# Altium PCB BytePipe_x9002_HDK_Rev2.PcbDoc (part 1 of 5) (continued)
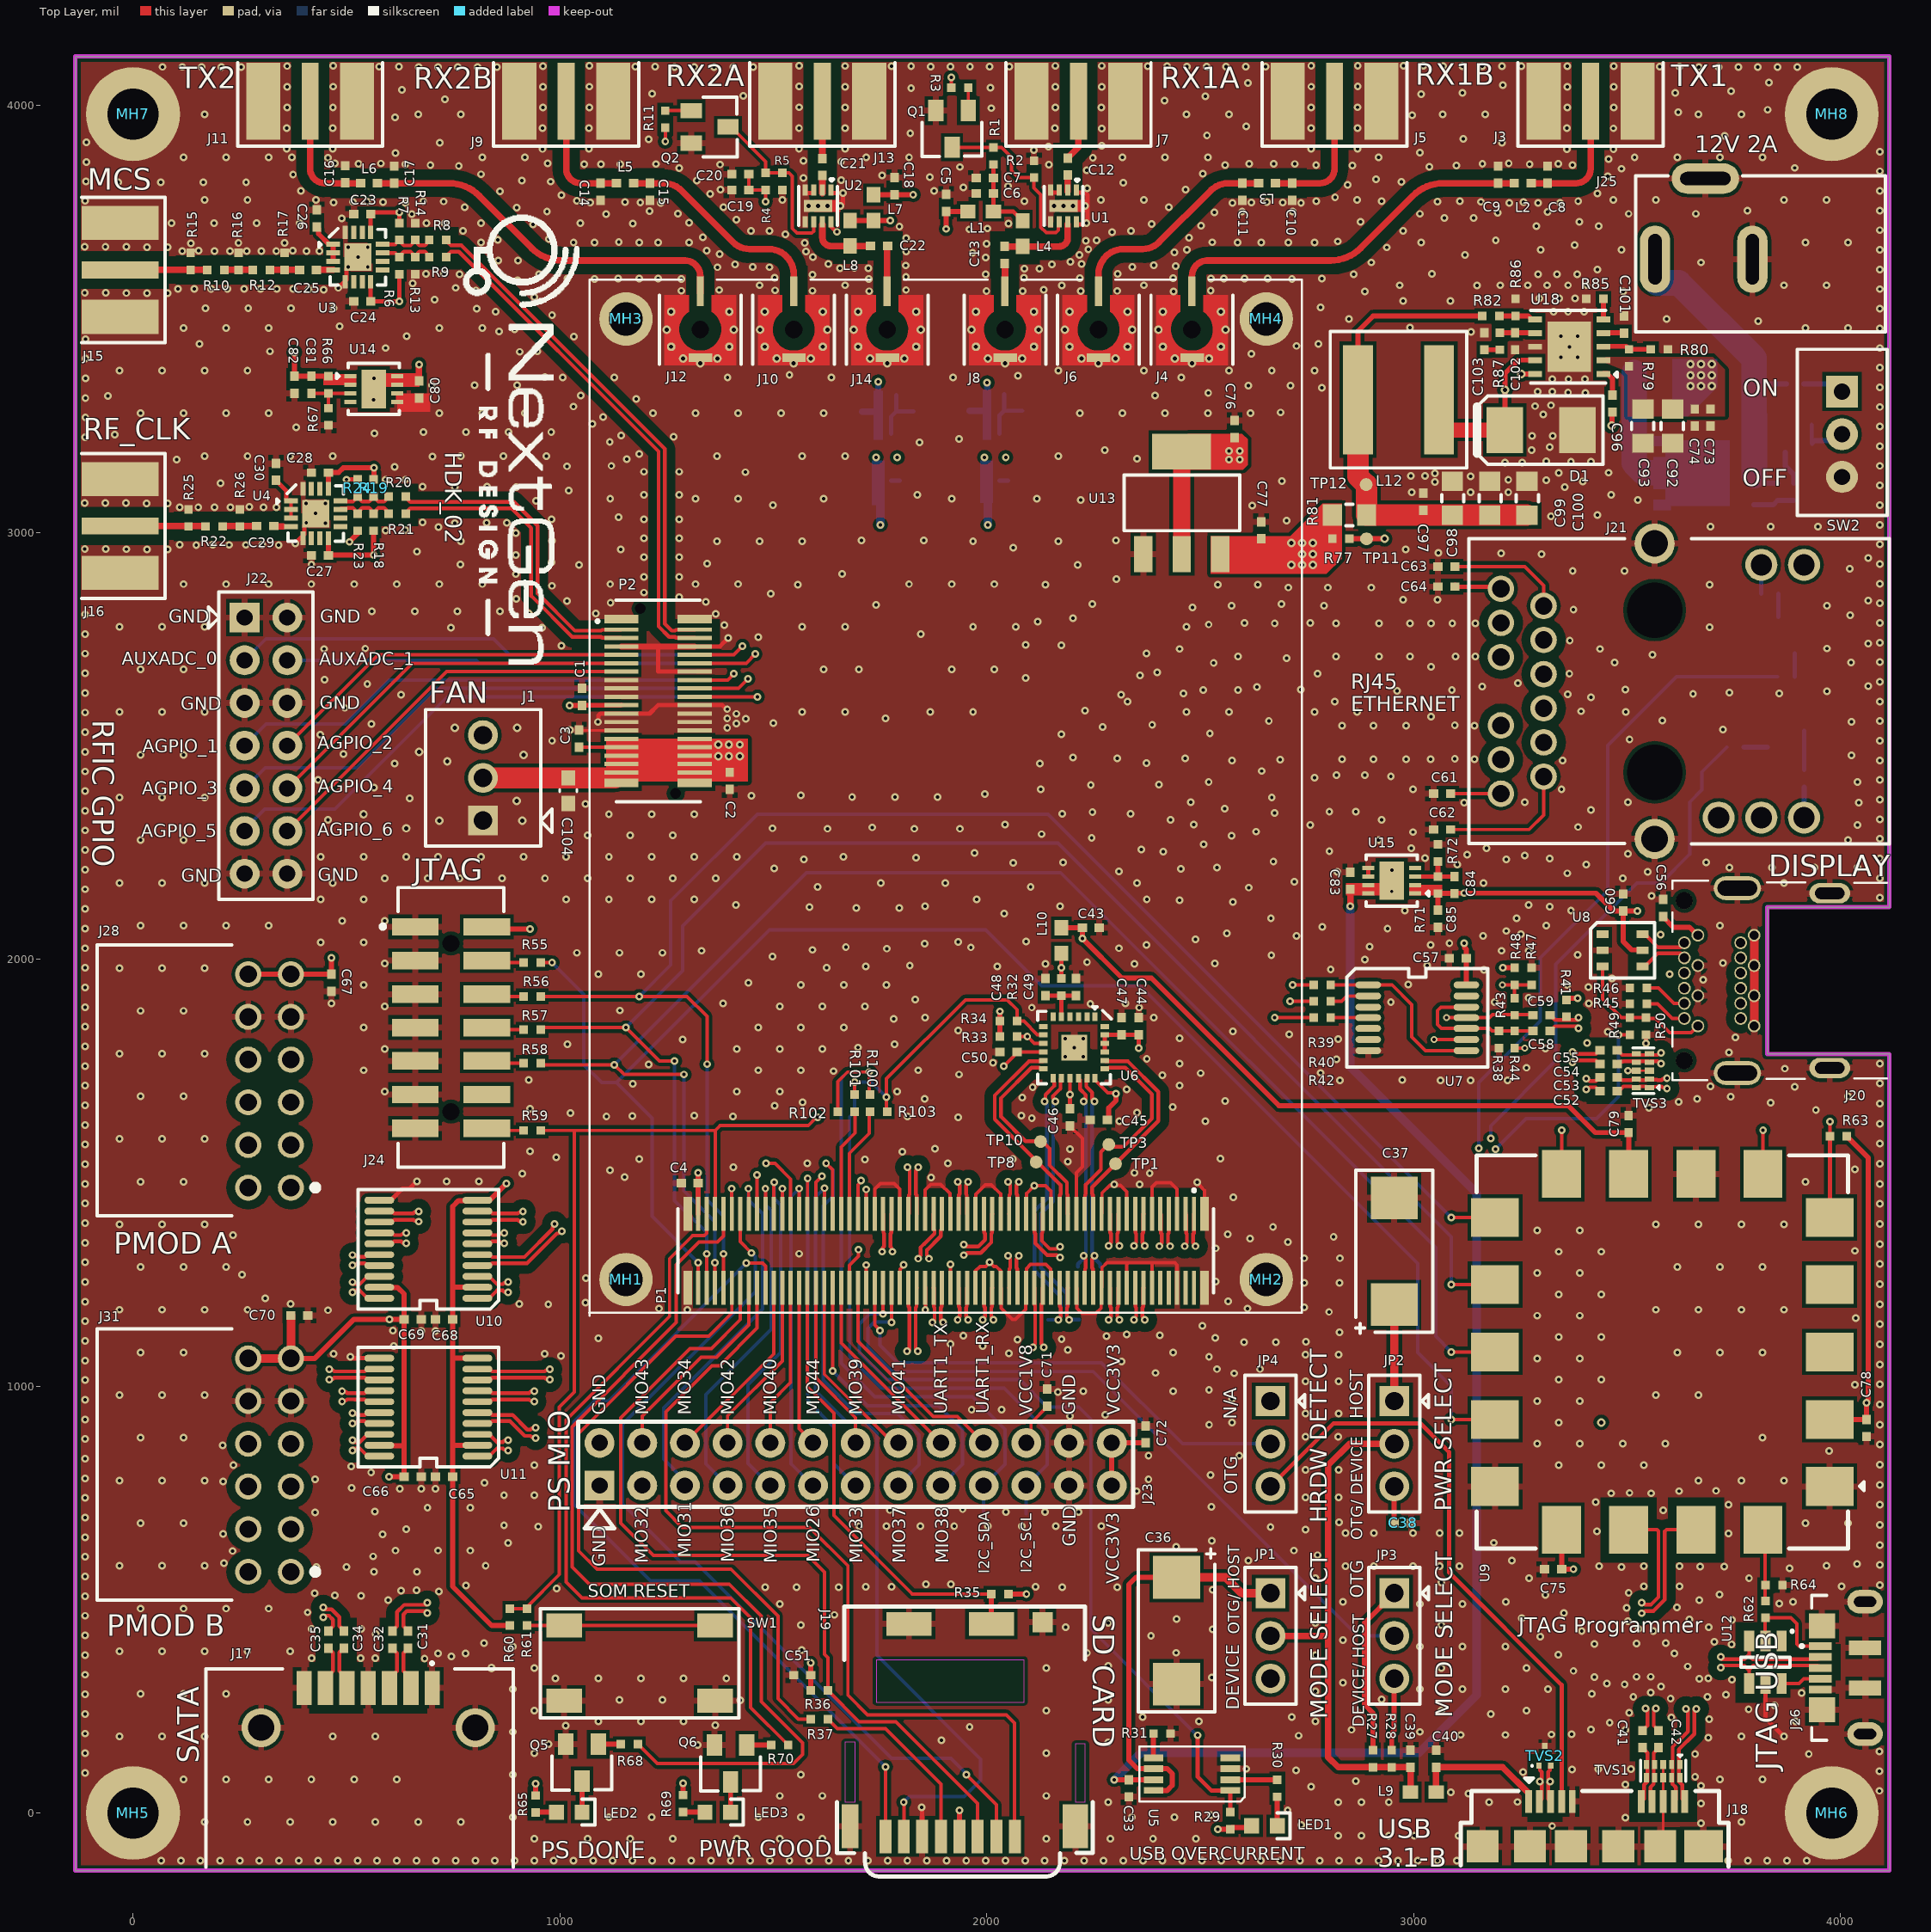
[diagram p0: Top Layer view]
## Components (designator, comment, footprint, x,y, rotation, side; value= is the part's Value field where it differs from the comment) (continued)
C59 "CAP_CERAMIC_0402" SM/0402/CAP 3300,1869 r0 top locked value=0.1uF
C60 "CAP_CERAMIC_0402" SM/0402/CAP 3491,2133 r90 top locked value=0.1uF
C61 "CAP_CERAMIC_0402" SM/0402/CAP 3067,2388 r0 top value=0.1uF
C62 "CAP_CERAMIC_0402" SM/0402/CAP 3067,2304 r0 top value=0.1uF
C63 "CAP_CERAMIC_0402" SM/0402/CAP 3077,2920 r0 top value=0.1uF
C64 "CAP_CERAMIC_0402" SM/0402/CAP 3077,2873 r0 top value=0.1uF
C65 "CAP_CERAMIC_0402" SM/0402/CAP 729,788 r180 top locked value=0.1uF
C66 "CAP_CERAMIC_0402" SM/0402/CAP 655,788 r180 top locked value=0.1uF
C67 "CAP_CERAMIC_0402" SM/0402/CAP 465,1945 r270 top locked value=4.7uF
C68 "CAP_CERAMIC_0402" SM/0402/CAP 729,1156 r180 top locked value=0.1uF
C69 "CAP_CERAMIC_0402" SM/0402/CAP 655,1156 r180 top locked value=0.1uF
C70 "CAP_CERAMIC_0402" SM/0402/CAP 389.76,1165.63 r0 top locked value=4.7uF
C71 "CAP_CERAMIC_0402" SM/0402/CAP 2142,973 r90 top locked value=4.7uF
C72 "CAP_CERAMIC_0402" SM/0402/CAP 2372,887 r90 top locked value=4.7uF
C73 "" SM/0402/CAP 3696,3269 r90 top value=1000pF
C74 "" SM/0402/CAP 3659,3269 r90 top value=1000pF
C75 "CAP_CERAMIC_0402" SM/0402/CAP 3327.18,571.03 r180 top locked value=4.7uF
C76 "CAP_CERAMIC_0402" SM/0402/CAP 2581,3242 r90 top value=4.7uF
C77 "CAP_CERAMIC_0402" SM/0402/CAP 2643,3005 r90 top value=10uF
C78 "CAP_CERAMIC_0402" SM/0402/CAP 4061,902 r270 top locked value=0.1uF
C79 "CAP_CERAMIC_0402" SM/0402/CAP 3504,1614 r90 top locked value=0.1uF
C80 "CAP_CERAMIC_0402" SM/0402/CAP 670,3335 r270 top locked value=10uF
C81 "CAP_CERAMIC_0402" SM/0402/CAP 418,3346 r270 top locked value=0.1uF
C82 "CAP_CERAMIC_0402" SM/0402/CAP 378,3346 r270 top locked value=4.7uF
C83 "CAP_CERAMIC_0402" SM/0402/CAP 2852,2184 r90 top locked value=10uF
C84 "CAP_CERAMIC_0402" SM/0402/CAP 3096,2174 r90 top locked value=0.1uF
C85 "CAP_CERAMIC_0402" SM/0402/CAP 3057,2095 r270 top locked value=4.7uF
C86 "CAP_CERAMIC_0402" SM/0402/CAP 2024,3077 r0 bottom locked value=10uF
C87 "CAP_CERAMIC_0402" SM/0402/CAP 2021,3324 r0 bottom locked value=0.1uF
C88 "CAP_CERAMIC_0402" SM/0402/CAP 1960,3305 r90 bottom locked value=4.7uF
C89 "CAP_CERAMIC_0402" SM/0402/CAP 1770,3077 r0 bottom locked value=10uF
C90 "CAP_CERAMIC_0402" SM/0402/CAP 1766,3322 r0 bottom locked value=0.1uF
C91 "CAP_CERAMIC_0402" SM/0402/CAP 1708,3303 r90 bottom locked value=4.7uF
C92 "CAP_CERAMIC_0805" SM/0805/CAP 3607,3249 r270 top value=10uF
C93 "CAP_CERAMIC_0805" SM/0805/CAP 3538,3249 r270 top value=10uF
C94 "CAP_CERAMIC_0805" SM/0805/CAP 3838,3280 r0 bottom value=10uF
C95 "CAP_CERAMIC_0603" SM/0603/CAP 3487,3209 r180 bottom value=1uF
C96 "CAP_CERAMIC_0402" SM/0402/CAP 3466,3302 r270 top value=0.1uF
C97 "" SM/0402/CAP 3023,3072 r270 top value=1000pF
C98 "CAP_CERAMIC_0805" SM/0805/CAP 3091,3080 r90 top value=22uF
C99 "CAP_CERAMIC_0805" SM/0805/CAP 3178.5,3080 r90 top value=22uF
C100 "CAP_CERAMIC_0805" SM/0805/CAP 3266,3080 r90 top value=22uF
C101 "" SM/0402/CAP 3493,3487 r270 top value=0.01uF
C102 "" SM/0402/CAP 3238,3448 r90 top value=47pF
C103 "" SM/0402/CAP 3166,3448 r90 top value=4700pF
C104 "CAP_CERAMIC_0603" SM/0603/CAP 1019.97,2394.97 r270 top value=1uF
D1 "DIODE_SCHOTTKY SMB" SM/DO-214AA/SMB_A 3299,3240 r0 top value=STPS5L60U
J1 "0022112032" CON/MLX/0022112032/3P 820,2325 r90 top
J3 "CON_RF_SMA_BRD-EDGE_C" SM/CON/RF/SMA/BRD-EDGE_C 3415,4115 r0 top locked value="TX1 SMA"
J4 "CON_RF_SMPM_SMT_AMPHENOL" SM/CON/RF/SMPM/VERT_A 2481,3475 r180 top value="TX1 SMPM"
J5 "CON_RF_SMA_BRD-EDGE_C" SM/CON/RF/SMA/BRD-EDGE_C 2815,4115 r0 top locked value="RX1B SMA"
J6 "CON_RF_SMPM_SMT_AMPHENOL" SM/CON/RF/SMPM/VERT_A 2262,3475 r180 top value="RX1B SMPM"
J7 "CON_RF_SMA_BRD-EDGE_C" SM/CON/RF/SMA/BRD-EDGE_C 2215,4115 r0 top locked value="RX1A SMA"
J8 "CON_RF_SMPM_SMT_AMPHENOL" SM/CON/RF/SMPM/VERT_A 2043,3475 r180 top value="RX1A SMPM"
J9 "CON_RF_SMA_BRD-EDGE_C" SM/CON/RF/SMA/BRD-EDGE_C 1015,4115 r0 top locked value="RX2B SMA"
J10 "CON_RF_SMPM_SMT_AMPHENOL" SM/CON/RF/SMPM/VERT_A 1548,3475 r180 top value="RX2B SMPM"
J11 "CON_RF_SMA_BRD-EDGE_C" SM/CON/RF/SMA/BRD-EDGE_C 415,4115 r0 top locked value="TX2 SMA"
J12 "CON_RF_SMPM_SMT_AMPHENOL" SM/CON/RF/SMPM/VERT_A 1329,3475 r180 top value="TX2 SMPM"
J13 "CON_RF_SMA_BRD-EDGE_C" SM/CON/RF/SMA/BRD-EDGE_C 1615,4115 r0 top locked value="RX2A SMA"
J14 "CON_RF_SMPM_SMT_AMPHENOL" SM/CON/RF/SMPM/VERT_A 1767,3475 r180 top value="RX2A SMPM"
J15 "CON_RF_SMA_BRD-EDGE_C" SM/CON/RF/SMA/BRD-EDGE_C -135,3615 r90 top locked value="MCS SMA"
J16 "CON_RF_SMA_BRD-EDGE_C" SM/CON/RF/SMA/BRD-EDGE_C -135,3015 r90 top locked value="RF CLK SMA"
J17 "CON_MOLEX_0470804002" SM/CON/MLX/SATA/0470804002 701,293 r0 top locked value=0470804002
J18 "CON_USB_3.1_MICRO-B_RA" "SM/CON/USB3.1/MICRO B" 3270,27 r0 top locked value=GSB443133HR
J19 "CONN MICRO SD CARD HINGED TYPE" SM/CON/MICRO_SD-CARD/HOLDER 1944,195 r0 top value=DM3C-SF
J20 "CON_TE_2129320-3" CON/TE/2129320-3 3805,1950 r90 top locked value=2129320-3
J21 "CON_RJ45_MagJack_L829-1J1T-43" CON/RJ45/L829-1J1T-43 3305,2828 r270 top locked value="RJ45 10/100/1000"
J22 "CON_100SP_2X7P_VT" CON/100SP/2X7P/VT/038_A 311.5,2500.5 r270 top locked value=2x7
J23 "CON_100SP_2X13P_VERT" CON/100SP/2X13P/038_A 1093,767 r0 top locked value=2x13
J24 "CON_MOLEX_0878321420_14P" SM/CON/MLX/0878321420 745,1840 r270 top locked value=0878321420
J25 "CON_WURTH_694106301002" CON/WURTH/694106301002 3566,3640 r270 top value="2.1mm x 5.5mm"
J26 "CON_USB_MICRO-B_RA" "SM/CON/USB/MICRO B RA" 4058,340 r180 top locked value=1051640001
J28 "CON_100SP_2X6P_RA_PMOD" CON/SAMTEC/SSW/2X6/RA_A/PMOD 320,1715 r270 top locked value=PMODA
J31 "CON_100SP_2X6P_RA_PMOD" CON/SAMTEC/SSW/2X6/RA_A/PMOD 320,815 r270 top locked value=PMODB
JP1 "CON_100SP_1X3P_038H" CON/100SP/1X3P 2665,515 r270 top locked value=PH1-03-UA
JP2 "CON_100SP_1X3P_038H" CON/100SP/1X3P 2955,965 r270 top locked value=PH1-03-UA
JP3 "CON_100SP_1X3P_038H" CON/100SP/1X3P 2955,515 r270 top locked value=PH1-03-UA
JP4 "CON_100SP_1X3P_038H" CON/100SP/1X3P 2665,965 r270 top locked value=PH1-03-UA
L1 "FERRITE_0603_A" SM/0603 1986,3752 r0 top locked value="220Ohm @ 100MHz"
L2 "IND_0402" SM/0402 3256,3818 r180 top locked value=0
L3 "IND_0402" SM/0402 2657,3818 r180 top locked value=0
L4 "IND_0603" SM/0603 2084,3700 r90 top locked value=68nH
L5 "IND_0402" SM/0402 1153,3818 r0 top locked value=0
L6 "IND_0402" SM/0402 553,3818 r0 top locked value=0
L7 "FERRITE_0603_A" SM/0603 1735,3761 r270 top locked value="220Ohm @ 100MHz"
L8 "IND_0603" SM/0603 1680,3701 r90 top locked value=68nH
L9 "FERRITE_0603_A" SM/0603 3023,49 r0 top locked value="220Ohm @ 100MHz"
L10 "FERRITE_0603_A" SM/0603 2175,2044 r270 top locked value="220Ohm @ 100MHz"
L11 "IND_COILCRAFT_XAL4020" SM/IND/COILCRAFT/XAL4020 3562,3339 r0 bottom value=4.7uH
L12 "IND_COILCRAFT_XAL7030" SM/IND/COILCRAFT/XAL7030 2965,3311 r180 top value=5.6uH
LED1 "LED_0603" SM/LED_0603 2651,-30 r180 top locked value=RED
LED2 "LED_0603" SM/LED_0603 1022,2 r180 top locked value=GREEN
LED3 "LED_0603" SM/LED_0603 1370,2 r180 top locked value=GREEN
MH1 "HOLE_PTH_125/78" MTG125/78 1155,1250 r0 top locked
MH2 "HOLE_PTH_125/78" MTG125/78 2655,1250 r0 top locked
MH3 "HOLE_PTH_125/78" MTG125/78 1155,3500 r0 top locked
MH4 "HOLE_PTH_125/78" MTG125/78 2655,3500 r0 top locked
MH5 "HOLE_PTH_220/120" MTG220/120#1 0,1000 r0 top locked
MH6 "HOLE_PTH_220/120" MTG220/120#2 3980,0 r0 top locked
MH7 "HOLE_PTH_220/120" MTG220/120#2 0,3980 r0 top locked
MH8 "HOLE_PTH_220/120" MTG220/120#3 3880,3980 r0 top locked
P1 "WR-120S-VFH30-N1‎" SM/CON/JAE/WR-120S-VFH30-N1 1905,1317 r180 top locked value=WR-120S-VFH30-N1
P2 "WR-40SB-VFH30-N1‎" SM/CON/JAE/WR-40SB-VFH30-N1 1230,2605 r270 top locked value=WR-40SB-VFH30-N1
Q1 "TRANSISTOR_NPN_SOT23" SM/SOT23_A 1918.86,3945.17 r180 top locked value=MMBT3904
Q2 "TRANSISTOR_NPN_SOT23" SM/SOT23_A 1351,3950 r270 top locked value=MMBT3904
Q3 "TRANSISTOR_NPN_SOT23" SM/SOT23_A 3872,2535 r90 bottom value=MMBT3904
Q4 "TRANSISTOR_NPN_SOT23" SM/SOT23_A 3855,2759 r180 bottom value=MMBT3904
Q5 "TRANSISTOR_NPN_SOT23" SM/SOT23_A 1052,118 r180 top locked value=MMBT3904
Q6 "TRANSISTOR_NPN_SOT23" SM/SOT23_A 1400,116 r180 top locked value=MMBT3904
Q7 "MOSFET P-CH 20V 60A PPAK SO-8" SM/POWERPAK/VISHAY/SO-8 3745,3139 r270 bottom value=P-CH
Q8 "FET_N-CHANNEL_SC70" SM/SOT323_A 3895,3188 r270 bottom value=BSS138W
R1 "RES_0402_A" SM/0402/RES 2016,3882 r90 top locked value=10K
R2 "RES_0402_A" SM/0402/RES 2111,3851 r270 top locked value=DNP
R3 "RES_0402_A" SM/0402/RES 1937,4042 r0 top locked value=10K
R4 "RES_0402_A" SM/0402/RES 1482,3822 r90 top locked value=10K
R5 "RES_0402_A" SM/0402/RES 1521,3822 r90 top locked value=DNP
R6 "RES_0402_A" SM/0402/RES 624,3625 r90 top locked value=127
R7 "RES_0402_A" SM/0402/RES 624.03,3704.97 r270 top locked value=127
R8 "RES_0402_A" SM/0402/RES 714,3685 r180 top locked value=39
R9 "RES_0402_A" SM/0402/RES 714,3645 r180 top locked value=39
R10 "RES_0402_A" SM/0402/RES 194,3615 r180 top locked value=0
R11 "RES_0402_A" SM/0402/RES 1247,3968 r90 top locked value=10K
R12 "RES_0402_A" SM/0402/RES 301,3615 r180 top locked value=39
R13 "RES_0402_A" SM/0402/RES 661,3625 r270 top locked value=49.9
R14 "RES_0402_A" SM/0402/RES 661,3705 r90 top locked value=49.9
R15 "RES_0402_A" SM/0402/RES 135,3635 r90 top locked value=49.9
R16 "RES_0402_A" SM/0402/RES 247,3635 r90 top locked value=150
R17 "RES_0402_A" SM/0402/RES 355,3635 r90 top locked value=150
R18 "RES_0402_A" SM/0402/RES 564,3024 r90 top locked value=127
R19 "RES_0402_A" SM/0402/RES 564,3104 r270 top locked value=127
R20 "RES_0402_A" SM/0402/RES 619,3084 r180 top locked value=39
R21 "RES_0402_A" SM/0402/RES 619,3044 r180 top locked value=39
R22 "RES_0402_A" SM/0402/RES 190,3014 r180 top locked value=39
R23 "RES_0402_A" SM/0402/RES 526,3024 r270 top locked value=49.9
R24 "RES_0402_A" SM/0402/RES 526,3104 r90 top locked value=49.9
R25 "RES_0402_A" SM/0402/RES 130,3034 r90 top locked value=150
R26 "RES_0402_A" SM/0402/RES 250,3034 r90 top locked value=150
R27 "RES_0402_A" SM/0402/RES 2905,127 r90 top locked value=1K
R28 "RES_0402_A" SM/0402/RES 2949,127 r270 top locked value=10K
R29 "RES_0402_A" SM/0402/RES 2571,-18 r90 top locked value=10K
R30 "RES_0402_A" SM/0402/RES 2681,58 r90 top locked value=240
R31 "RES_0402_A" SM/0402/RES 2411,186 r0 top locked value=240
R32 "RES_0402_A" SM/0402/RES 2175,1935 r270 top locked value=2
R33 "RES_0402_A" SM/0402/RES 2051,1819 r0 top locked value=10K
R34 "RES_0402_A" SM/0402/RES 2051,1855 r0 top locked value=10K
R35 "RES_0402_A" SM/0402/RES 2031,513 r180 top locked value=4.7K
R36 "RES_0402_A" SM/0402/RES 1608,287 r0 top locked value=4.7K
R37 "RES_0402_A" SM/0402/RES 1608,220 r180 top locked value=39
R38 "RES_0402_A" SM/0402/RES 3200,1812 r90 top locked value=100K
R39 "RES_0402_A" SM/0402/RES 2786,1940 r180 top locked value=0
R40 "RES_0402_A" SM/0402/RES 2786,1902 r180 top locked value=0
R41 "RES_0402_A" SM/0402/RES 3358,1885 r90 top locked value=100K
R42 "RES_0402_A" SM/0402/RES 2786,1863 r180 top locked value=0
R43 "RES_0402_A" SM/0402/RES 3237,1889 r90 top locked value=49.9
R44 "RES_0402_A" SM/0402/RES 3237,1812 r270 top locked value=49.9
R45 "RES_0402_A" SM/0402/RES 3527,1896 r180 top locked value=1M
R46 "RES_0402_A" SM/0402/RES 3527,1933 r180 top locked value=1M
R47 "RES_0402_A" SM/0402/RES 3277,1960 r270 top locked value=1.5K
R48 "RES_0402_A" SM/0402/RES 3237,1960 r270 top locked value=2.49K
R49 "RES_0402_A" SM/0402/RES 3507,1843 r90 top locked value=39
R50 "RES_0402_A" SM/0402/RES 3545,1843 r90 top locked value=100K
R51 "RES_0402_A" SM/0402/RES 3915,2423 r270 bottom value=240
R52 "RES_0402_A" SM/0402/RES 3754,2497 r180 bottom value=100K
R53 "RES_0402_A" SM/0402/RES 3835,2856 r180 bottom value=240
R54 "RES_0402_A" SM/0402/RES 3873,2662 r180 bottom value=100K
R55 "RES_0402_A" SM/0402/RES 935,1992 r180 top locked value=39
R56 "RES_0402_A" SM/0402/RES 935,1913 r180 top locked value=39
R57 "RES_0402_A" SM/0402/RES 935,1835 r180 top locked value=39
R58 "RES_0402_A" SM/0402/RES 935,1757 r180 top locked value=39
R59 "RES_0402_A" SM/0402/RES 935,1599 r180 top locked value=39
R60 "RES_0402_A" SM/0402/RES 883,459 r270 top locked value=100K
R61 "RES_0402_A" SM/0402/RES 923,459 r90 top locked value=39
R62 "RES_0402_A" SM/0402/RES 3824.5,477 r90 top locked value=4.7K
R63 "RES_0402_A" SM/0402/RES 3995.5,1585 r180 top value=10K
R64 "RES_0402_A" SM/0402/RES 3844.5,534 r0 top locked value=10K
R65 "RES_0402_A" SM/0402/RES 943,21 r270 top locked value=240
R66 "RES_0402_A" SM/0402/RES 458,3346 r90 top locked value=120K
R67 "RES_0402_A" SM/0402/RES 458,3271 r90 top locked value=78.7K
R68 "RES_0402_A" SM/0402/RES 1163,161 r0 top locked value=100K
R69 "RES_0402_A" SM/0402/RES 1289,22 r270 top locked value=240
R70 "RES_0402_A" SM/0402/RES 1515,159 r0 top locked value=100K
R71 "RES_0402_A" SM/0402/RES 3057,2174 r270 top locked value=140K
R72 "RES_0402_A" SM/0402/RES 3057,2249 r270 top locked value=78.7K
R73 "RES_0402_A" SM/0402/RES 2021,3285 r180 bottom locked value=200k
R74 "RES_0402_A" SM/0402/RES 2103,3285 r180 bottom locked value=64.9K
R75 "RES_0402_A" SM/0402/RES 1766,3283 r180 bottom locked value=200k
R76 "RES_0402_A" SM/0402/RES 1849,3283 r180 bottom locked value=64.9K
R77 "RES_0402_A" SM/0402/RES 2830,2985 r0 top value=10K
R78 "RES_0402_A" SM/0402/RES 3853,3095 r270 bottom value=10K
R79 "RES_0402_A" SM/0402/RES 3505,3409 r270 top value=10K
R80 "RES_0402_A" SM/0402/RES 3576,3429 r180 top value=DNP
R81 "RES_0805_A" SM/0805/RES 2850,3041 r180 top value=0
R82 "RES_0402_A" SM/0402/RES 3181,3507 r180 top value=52.3K
R83 "RES_0402_A" SM/0402/RES 3891,3095 r90 bottom value=1K
R84 "RES_0402_A" SM/0402/RES 3894,3348 r0 bottom value=2K
R85 "RES_0402_A" SM/0402/RES 3425,3547 r180 top value=100K
R86 "RES_0402_A" SM/0402/RES 3239,3527 r90 top value=10K
R87 "RES_0402_A" SM/0402/RES 3202,3448 r90 top value=16.9K
R88 "RES_0402_A" SM/0402/RES 3929,3272 r90 bottom value=10K
R100 "RES_0402_A" SM/0402/RES 1727,1663 r270 top value=0
R101 "RES_0402_A" SM/0402/RES 1691,1663 r270 top value=0
R102 "RES_0402_A" SM/0402/RES 1671,1643 r0 top value=DNP
R103 "RES_0402_A" SM/0402/RES 1747,1643 r0 top value=DNP
SW1 "SWITCH_E-SWITCH_TACTILE_SPST" SM/SWITCH/E-SWITCH/SPST 1364,439 r180 top locked value=TL3301NF160QG
SW2 "AS1D-2M-10-Z" SWITCH/NIDEC/SPDT/AS1D-2M-10-Z 4004,3330 r0 top value=SPDT
TP1 "TESTPOINT_030" SM/TESTPOINT/30MIL 2302,1521 r0 top
TP2 "TESTPOINT_030" SM/TESTPOINT/30MIL 2266,1280 r0 bottom
TP3 "TESTPOINT_030" SM/TESTPOINT/30MIL 2286.17,1566 r180 top
TP4 "TESTPOINT_030" SM/TESTPOINT/30MIL 2092.32,700.75 r180 bottom
TP5 "TESTPOINT_030" SM/TESTPOINT/30MIL 2217,1156 r0 bottom
TP6 "TESTPOINT_030" SM/TESTPOINT/30MIL 2214,1280 r0 bottom
TP7 "TESTPOINT_030" SM/TESTPOINT/30MIL 1992.97,700.78 r180 bottom
TP8 "TESTPOINT_030" SM/TESTPOINT/30MIL 2116,1525 r0 top
TP9 "TESTPOINT_030" SM/TESTPOINT/30MIL 2143.82,1155.44 r0 bottom
TP10 "TESTPOINT_030" SM/TESTPOINT/30MIL 2126.36,1573 r90 top
TP11 "TESTPOINT_030" SM/TESTPOINT/30MIL 2889.97,2985.03 r180 top
TP12 "TESTPOINT_030" SM/TESTPOINT/30MIL 2889,3112 r180 top
TVS1 "TVS_TPD4E05U06_2.5mmX1mm" SM/DFN10/2.5X1MM_A 3585,98 r180 top locked value=TPD4E05U06-Q1
TVS2 "TVS_TPD2EUSB30DRTR_SOT3" SM/SOT3_A 3294,111 r0 top locked value=TPD2EUSB30DRTR
TVS3 "TVS_TPD4E05U06_2.5mmX1mm" SM/DFN10/2.5X1MM_A 3537.58,1739 r90 top locked value=TPD4E05U06-Q1
U1 "IC_TQP3M9035_DFN-8" SM/DFN8/2X2MM_E 2180,3765 r180 top locked value=TQP3M9035
U2 "IC_TQP3M9035_DFN-8" SM/DFN8/2X2MM_E 1605,3765 r180 top locked value=TQP3M9035
U3 "IC_ADCLK944_QFN16" SM/QFN16/3X3/0.5LS_A 527,3645 r270 top locked value=ADCLK944
U4 "IC_ADCLK944_QFN16" SM/QFN16/3X3/0.5LS_A 428,3044 r270 top locked value=ADCLK944
U5 "IC_MIC2544-1YMM_MSOP-8" SM/MSOP8_A 2481,91 r90 top locked value=MIC2544-1YMM
U6 "IC_5P49V5935_LGA-24" SM/LGA24/4X4/0.5LS_A 2205,1793 r180 top locked value=5P49V5935B000LTGI
U7 "IC_FIN1019MTCX_TSSOP-14" SM/TSSOP14_5X6.4MM_A 3009,1863 r270 top locked value=FIN1019MTCX
U8 "IC_IP4220CZ6_TSOP-6" SM/TSOP-6_A 3490,2021 r90 top locked value=IP4220CZ6
U9 "MODULE_JTAG-SMT3-NC_18P" SM/MODULE/DIGILENT/JTAG-SMT3 3975,765 r90 top locked value=JTAG-SMT3-NC
U10 "IC_TXS0108_TSSOP-20" SM/TSSOP20_6.5X6.4MM 807,1206 r90 top locked value=TXS0108EPW
U11 "IC_TXS0108_TSSOP-20" SM/TSSOP20_6.5X6.4MM 807,836 r90 top locked value=TXS0108EPW
U12 "TVS_CDSOT23_SOT23-6_C" SM/SOT23-6_C 3824.5,353 r0 top locked value=CDSOT23-SR208
U13 "REG_ADP3338_SOT223-3" SM/SOT223-3_B 2457,3069 r0 top value=ADP3338
U14 "REG_ADP334_DFN-8" SM/DFN8/3x3MM_B 564,3336 r270 top locked value=ADP3334
U15 "REG_ADP334_DFN-8" SM/DFN8/3x3MM_B 2949,2184 r90 top locked value=ADP3334
U16 "REG_ADP334_DFN-8" SM/DFN8/3x3MM_B 2020,3176 r0 bottom locked value=ADP3334
U17 "REG_ADP334_DFN-8" SM/DFN8/3x3MM_B 1766,3176 r0 bottom locked value=ADP3334
U18 "REG_TPS54561_WSON-10" SM/WSON10/4x4MM_A 3365,3435 r90 top value=TPS54561DPRR

## Footprints (in the part's own frame and the unit in brackets; to place one, negate y for a bottom-side part, rotate by r counter-clockwise, add the part's x,y. Pads: shape width x height; smd on the part's side, far side on the other; paste and mask are expansions set on the pad)
CON/100SP/1X3P [mil] "Based on Sullins .100\" breakaway series connectors"
  rect 70x70 hole 43 mask+4: 1(0,0)
  round 70 hole 43 mask+4: 2(100,0) 3(200,0)
  silkscreen extent -60,-60 260,80, body extent -50,-50 250,50, height 336
CON/100SP/2X7P/VT/038_A [mil] "2 x 7 header, vertical, no shroud"
  rect 70x70 hole 38: 1(-300,-50)
  round 70 hole 38: 2(-300,50) 3(-200,-50) 4(-200,50) 5(-100,-50) 6(-100,50) 7(0,-50) 8(0,50) 9(100,-50) 10(100,50) 11(200,-50) 12(200,50) 13(300,-50) 14(300,50)
  silkscreen extent -360,-135 360,110, body extent -350,-100 350,100, height 330
CON/100SP/2X13P/038_A [mil]
  rect 70x70 hole 38: 1(0,0)
  round 70 hole 38: 2(0,100) 3(100,0) 4(100,100) 5(200,0) 6(200,100) 7(300,0) 8(300,100) 9(400,0) 10(400,100) 11(500,0) 12(500,100) 13(600,0) 14(600,100) 15(700,0) 16(700,100) 17(800,0) 18(800,100) 19(900,0) 20(900,100) 21(1000,0) 22(1000,100) 23(1100,0) 24(1100,100) 25(1200,0) 26(1200,100)
  silkscreen extent -50,-100 1250,150
CON/MLX/0022112032/3P [mil] "Based on Molex  KK 100 series connector"
  rect 70x70 hole 43 mask+4: 1(0,0)
  round 70 hole 43 mask+4: 2(100,0) 3(200,0)
  silkscreen extent -60,-162 260,135, body extent -47,-128 247,122, height 422
CON/RJ45/L829-1J1T-43 [mil] "1 Port RJ45 Magjack Connector Through Hole 10/100/1000 Base-T, AutoMDIX"
  round 94 hole 62: 0(-146,260) 0(546,260)
  round 62 hole 41: 1(0,0) 2(80,0) 3(160,0) 4(240,0) 5(320,0) 6(400,0) 7(-40,-100) 8(40,-100) 9(120,-100) 10(280,-100) 11(360,-100) 12(440,-100)
  round 75 hole 50: 13(-96,510) 14(-96,610) 15(496,410) 16(496,510) 17(496,610)
  round 0 hole 130 unplated: ""(10,260) ""(390,260)
  silkscreen extent -157,-175 558,810, body extent -201,-167 601,800, height 494
CON/SAMTEC/SSW/2X6/RA_A/PMOD [mm] "PMOD Pin Assignments 12 Position Receptacle Connector  Through Hole, Right Angle"
  round 1.55 hole 1.04: 1(6.35,1.27) 2(3.81,1.27) 3(1.27,1.27) 4(-1.27,1.27) 5(-3.81,1.27) 6(-6.35,1.27) 7(6.35,-1.27) 8(3.81,-1.27) 9(1.27,-1.27) 10(-1.27,-1.27) 11(-3.81,-1.27) 12(-6.35,-1.27)
  silkscreen extent -8.1,-10.26 8.03,2.84, body extent -7.87,-11.3 7.87,1.47, height 5.02
CON/TE/2129320-3 [mil] "CONN RCP MINI DISPLAYPORT 20P RA"
  oval 55.43x110.87 hole 35.43 slot 92.52 at 90 deg: 0(-216.54,46.26) 0(216.54,46.26)
  oval 47.56x95.12 hole 27.56 slot 68.5 at 90 deg: 0(-204.72,-170.28) 0(204.72,-170.28)
  round 30 hole 22: 1(-106.3,6.89) 2(-106.3,138.78) 3(-88.58,38.39) 4(-88.58,170.28) 5(-53.15,38.39) 6(-53.15,170.28) 7(-35.43,6.89) 8(-35.43,138.78) 9(-17.72,38.39) 10(-17.72,170.28) 11(17.72,38.39) 12(17.72,170.28) 13(35.43,6.89) 14(35.43,138.78) 15(53.15,38.39) 16(53.15,170.28) 17(88.58,38.39) 18(88.58,170.28) 19(106.3,6.89) 20(106.3,138.78)
  round 39.37 hole 40 unplated: ""(-187.01,170.28) ""(187.01,170.28)
  silkscreen extent -233,-304 234,199, body extent -224,-308 224,190, height 186
CON/WURTH/694106301002 [mil] "Wurth DC power jack, 2.1mm pin, right angle"
  oval 158x71 hole 31 slot 118 at 0 deg: 1(0,0) 2(0,228)
  oval 71x158 hole 31 slot 118 at 90 deg: 3(-189,118)
  silkscreen extent -195,-45 170,540, body extent -197,-36 177,535, height 421
MTG125/78 [mil]
  round 125 hole 78 mask+4: 1(0,0)
MTG220/120#1 [mil] "Hole size that works with a #4 Pan Head screw"
  round 220 hole 120 mask+4: 1(0,-1000)
MTG220/120#2 [mil] "Hole size that works with a #4 Pan Head screw"
  round 220 hole 120 mask+4: 1(0,0)
MTG220/120#3 [mil] "Hole size that works with a #4 Pan Head screw"
  round 220 hole 120 mask+4: 1(100,0)
SM/0402 [mil]
  rect 22x20 smd mask+3: 1(-20,0) 2(20,0)
SM/0402/CAP [mil]
  rect 22x20 smd mask+3: 1(-20,0) 2(20,0)
  body extent -20,-10 20,10, height 20
SM/0402/RES [mil]
  rect 20x20 smd mask+3: 1(-20,0) 2(20,0)
  body extent -20,-10 20,10, height 18
SM/0603 [mil]
  rect 36x32 smd mask+3: 1(-30,0) 2(30,0)
  body extent -31,-16 32,16, height 31
SM/0603/CAP [mil]
  rect 36x32 smd mask+3: 1(-30,0) 2(30,0)
  silkscreen extent -3,-20 3,20, body extent -31,-17 31,17, height 28
SM/0805/CAP [mil]
  rect 45x50 smd mask+3: 1(-40,0) 2(40,0)
  silkscreen extent -8,-27 8,25, body extent -39,-25 39,25, height 54
SM/0805/RES [mil]
  rect 45x50 smd mask+3: 1(-40,0) 2(40,0)
  silkscreen extent -8,-25 8,25, body extent -45,-27 45,27, height 29
SM/CAP/TANT-D_A [mil]
  rect 100x110 smd mask+3: 1(-125,0) 2(125,0)
  silkscreen extent -192,-90 190,90
SM/CON/JAE/WR-40SB-VFH30-N1 [mil] "CONN RECEPTICAL 40POS SMD GOLD 0.5mm"
  rect 20x80 smd: 01(-192,-86) 02(-192,86) 39(192,-86) 40(192,86)
  rect 10x80 smd: 03(-167.32,-86) 04(-167.32,86) 05(-147.64,-86) 06(-147.64,86) 07(-127.95,-86) 08(-127.95,86) 09(-108.27,-86) 10(-108.27,86) 11(-88.58,-86) 12(-88.58,86) 13(-68.9,-86) 14(-68.9,86) 15(-49.21,-86) 16(-49.21,86) 17(-29.53,-86) 18(-29.53,86) 19(-9.84,-86) 20(-9.84,86) 21(9.84,-86) 22(9.84,86) 23(29.53,-86) 24(29.53,86) 25(49.21,-86) 26(49.21,86) 27(68.9,-86) 28(68.9,86) 29(88.58,-86) 30(88.58,86) 31(108.27,-86) 32(108.27,86) 33(127.95,-86) 34(127.95,86) 35(147.64,-86) 36(147.64,86) 37(167.32,-86) 38(167.32,86)
  round 0 hole 25.59 unplated mask+6: " "(-216.54,-41.34) ""(216.54,41.34)
  silkscreen extent -236,-145 236,99, body extent -226,-98 226,98, height 246
SM/CON/JAE/WR-120S-VFH30-N1 [mil] "CONN RECEPTICAL 120POS SMD GOLD 0.5mm"
  rect 10x80 smd: 01(-580.71,-86.61) 02(-580.71,86.61) 03(-561.02,-86.61) 04(-561.02,86.61) 05(-541.34,-86.61) 06(-541.34,86.61) 07(-521.65,-86.61) 08(-521.65,86.61) 09(-501.97,-86.61) 10(-501.97,86.61) 11(-482.28,-86.61) 12(-482.28,86.61) 13(-462.6,-86.61) 14(-462.6,86.61) 15(-442.91,-86.61) 16(-442.91,86.61) 17(-423.23,-86.61) 18(-423.23,86.61) 19(-403.54,-86.61) 20(-403.54,86.61) 21(-383.86,-86.61) 22(-383.86,86.61) 23(-364.17,-86.61) 24(-364.17,86.61) 25(-344.49,-86.61) 26(-344.49,86.61) 27(-324.8,-86.61) 28(-324.8,86.61) 29(-305.12,-86.61) 30(-305.12,86.61) 31(-285.43,-86.61) 32(-285.43,86.61) 33(-265.75,-86.61) 34(-265.75,86.61) 35(-246.06,-86.61) 36(-246.06,86.61) 37(-226.38,-86.61) 38(-226.38,86.61) 39(-206.69,-86.61) 40(-206.69,86.61) 41(-187.01,-86.61) 42(-187.01,86.61) 43(-167.32,-86.61) 44(-167.32,86.61) 45(-147.64,-86.61) 46(-147.64,86.61) 47(-127.95,-86.61) 48(-127.95,86.61) 49(-108.27,-86.61) 50(-108.27,86.61) 51(-88.58,-86.61) 52(-88.58,86.61) 53(-68.9,-86.61) 54(-68.9,86.61) 55(-49.21,-86.61) 56(-49.21,86.61) 57(-29.53,-86.61) 58(-29.53,86.61) 59(-9.84,-86.61) 60(-9.84,86.61) 61(9.84,-86.61) 62(9.84,86.61) 63(29.53,-86.61) 64(29.53,86.61) 65(49.21,-86.61) 66(49.21,86.61) 67(68.9,-86.61) 68(68.9,86.61) 69(88.58,-86.61) 70(88.58,86.61) 71(108.27,-86.61) 72(108.27,86.61) 73(127.95,-86.61) 74(127.95,86.61) 75(147.64,-86.61) 76(147.64,86.61) 77(167.32,-86.61) 78(167.32,86.61) 79(187.01,-86.61) 80(187.01,86.61) 81(206.69,-86.61) 82(206.69,86.61) 83(226.38,-86.61) 84(226.38,86.61) 85(246.06,-86.61) 86(246.06,86.61) 87(265.75,-86.61) 88(265.75,86.61) 89(285.43,-86.61) 90(285.43,86.61) 91(305.12,-86.61) 92(305.12,86.61) 93(324.8,-86.61) 94(324.8,86.61) 95(344.49,-86.61) 96(344.49,86.61) 97(364.17,-86.61) 98(364.17,86.61) 99(383.86,-86.61) 100(383.86,86.61) 101(403.54,-86.61) 102(403.54,86.61) 103(423.23,-86.61) 104(423.23,86.61) 105(442.91,-86.61) 106(442.91,86.61) 107(462.6,-86.61) 108(462.6,86.61) 109(482.28,-86.61) 110(482.28,86.61) 111(501.97,-86.61) 112(501.97,86.61) 113(521.65,-86.61) 114(521.65,86.61) 115(541.34,-86.61) 116(541.34,86.61) 117(561.02,-86.61) 118(561.02,86.61) 119(580.71,-86.61) 120(580.71,86.61)
  rect 20x80 smd: M1(-605.31,-86.61) M2(-605.31,86.61) M3(605.31,-86.61) M4(605.31,86.61)
  silkscreen extent -627,-145 628,98, body extent -620,-98 620,98, height 246
SM/CON/MICRO_SD-CARD/HOLDER [mil] "HIROSE MICRO SD CARD HOLDER"
  rect 28x79 smd mask+3: 1(122,-250) 2(79,-250) 3(35,-250) 4(-8,-250) 5(-51,-250) 6(-95,-250) 7(-138,-250) 8(-181,-250)
  rect 106x55 smd mask+3: 9(67,248) M-3(-126,248)
  rect 59x102 smd mask+3: M-1(264,-226)
  rect 39x102 smd mask+3: M-2(-264,-226)
  rect 47x47 smd mask+3: M-4(187,252)
  Top Layer keep-out region: -275.59,-169 -251.97,-169 -251.97,-29.53 -275.59,-29.53
  Top Layer keep-out region: 263.78,-169 287.4,-169 287.4,-33.46 263.78,-33.46
  Top Layer keep-out region: -202.76,64.94 143.7,64.94 143.7,163.36 -202.76,163.36
  silkscreen extent -295,-344 305,289, body extent -268,-277 275,278, height 78
SM/CON/MLX/0878321420 [mil] "Connector Header Surface Mount 14 position 0.079\" (2.00mm)"
  rect 41x109 smd: 1(-236,-84) 2(-236,84) 3(-157,-84) 4(-157,84) 5(-78,-84) 6(-78,84) 7(0,-84) 8(0,84) 9(78,-84) 10(78,84) 11(157,-84) 12(157,84) 13(236,-84) 14(236,84)
  round 19.68 hole 40 unplated: MH1(-197,0) MH2(197,0)
  silkscreen extent -328,-165 327,124, body extent -328,-124 327,124, height 299
SM/CON/MLX/SATA/0470804002 [mil] "CONN SATA PLUG 7POS SLD R/A SMD"
  round 91.54 hole 61.02: 0(-400.75,-93) 0(100.75,-93)
  rect 36x80 smd: 1(0,0) 2(-50,0) 3(-100,0) 4(-150,0) 5(-200,0) 6(-250,0) 7(-300,0)
  silkscreen extent -530,-420 190,60, body extent -515,-424 176,31, height 229
SM/CON/RF/SMA/BRD-EDGE_C [mil] "SMA sized jacks, mounted to board edge, .250\" wide"
  rect 40x180 smd mask+3: 1(0,-105)
  rect 80x180 smd mask+3: 2(-110,-105) 2(110,-105)
  rect 80x180 smd far side mask+3: 2(-110,-105) 2(110,-105)
  silkscreen extent -170,-210 170,-15, body extent -118,-167 118,368, height 134
SM/CON/RF/SMPM/VERT_A [mil] "Based off of Amphenol 925-144J-51PT"
  rect 17x70 smd: 1(0,-90)
  round 20 hole 10 mask+2: 2(-78.74,0) 2(0,78.74) 2(78.74,0)
  round 20 hole 10 mask+6: 2(-68,-42) 2(-68,40) 2(-40,67.5) 2(40,67.5) 2(68,-42) 2(68,40)
  rect 55.12x19.68 smd: 2(-0.5,65.5)
  round 0 hole 41 unplated mask+6: " "(0,0)
  Top Layer region: -84,-81 -84,83.5 84,83.5 84,-81 27,-81 27,-41.93 43.96,-23.3 49.6,1.25 42.45,25.4 24.36,42.94 0,49.33 -24.37,42.94 -42.45,25.4 -49.6,1.25 -43.97,-23.31 -27,-41.93 -27,-41.93 -27,-81
  Top Layer pour cut-out: -82.68,-81 82.68,-81 82.68,82.68 -82.68,82.68
  silkscreen extent -96,-81 96,81, body extent -78,-113 78,78, height 107
"SM/CON/USB3.1/MICRO B" [mil] "USB3.1 Micro-B, based off of Amphenol GSB443133HR"
  rect 16x54 smd mask+3: 1(0,0) 2(25,0) 3(51,0) 4(77,0) 5(102,0) 6(263.78,0) 7(288.78,0) 8(314.78,0) 9(340.78,0) 10(365.78,0)
  rect 75x75 smd mask+3: 11(-108,-105) 12(3,-105) 13(99,-105) 14(210,-105) 15(308,-105)
  rect 90.55x75 smd mask+3: 16(409.57,-105)
  silkscreen extent -159,-153 468,55, body extent -122,-210 435,15, height 106
"SM/CON/USB/MICRO B RA" [mil] "USB RA CONNECTOR - BASED ON MOLEX 1051640001"
  rect 54x18 smd mask+3: 1(105,-51) 2(105,-26) 3(105,0) 4(105,26) 5(105,51)
  rect 75x35 smd mask+3: SH(0,47) SH(0,-47)
  rect 62x58 smd mask+3: SH(101,98) SH(101,-98)
  oval 83x55 hole 24 slot 52 at 0 deg mask+3: TH(0,155) TH(0,-155)
  silkscreen extent 90,-170 150,170, body extent -85,-161 118,161, height 97
SM/DFN8/2X2MM_E [mil] "DFN-8 with .9mm x 1.7mm slug included GND vias"
  rect 12x26 smd mask+2.5: 1(-30,-37) 2(-10,-37) 3(10,-37) 4(30,-37) 5(30,37) 6(10,37) 7(-10,37) 8(-30,37)
  round 20 hole 10 mask+3: 9(-22,0) 9(0,0) 9(22,0)
  rect 66.93x27.56 smd mask+2.5: 9(0,0)
  silkscreen extent -45,-45 45,45, body extent -40,-40 40,40, height 33
SM/DFN8/3x3MM_B [mil]
  rect 10x28 smd paste+0 mask+3: 1(-30,-55) 2(-10,-55) 3(10,-55) 4(30,-55) 5(30,55) 6(10,55) 7(-10,55) 8(-30,55)
  rect 90x58 smd paste-5 mask+3: 9(0,0)
  silkscreen extent -60,-87 60,60, body extent -59,-59 59,59, height 31
SM/DFN10/2.5X1MM_A [mil] "TI DQA (R-PSON-N10)"
  rect 12x22 smd paste+0 mask+2: 1(-39.37,-15.5) 2(-19.69,-15.5) 4(19.69,-15.5) 5(39.37,-15.5) 6(39.37,15.5) 7(19.69,15.5) 9(-19.69,15.5) 10(-39.37,15.5)
  rect 15x22 smd paste+0 mask+2: 3(0,-15.5) 8(0,15.5)
  silkscreen extent -53,-39 53,24, body extent -49,-19 49,20, height 22
SM/DO-214AA/SMB_A [mil]
  rect 85x108 smd mask+3: 1(-85,0) 2(85,0)
  silkscreen extent -150,-80 145,80, body extent -104,-73 104,73, height 89
SM/IND/COILCRAFT/XAL4020 [mil] "XAL4020 shielded power inductor"
  rect 40x134 smd mask+3: 1(-45,0) 2(45,0)
  silkscreen extent -90,-90 90,90, body extent -80,-80 80,80, height 61
SM/IND/COILCRAFT/XAL7030 [mil] "XAL7030 Series High Current  Power Inductors"
  rect 70x256 smd mask+3: 1(-95,0) 2(95,0)
  silkscreen extent -160,-160 160,160, body extent -157,-157 157,158, height 121
SM/LED_0603 [mil]
  rect 35x35.43 smd mask+3: 1(-30,0) 2(30,0)
  silkscreen extent -60,-30 -30,30, body extent -33,-18 33,18, height 35
SM/LGA24/4X4/0.5LS_A [mil]
  rect 12x20 smd paste+0 mask+2: 1(-49,-72) 2(-30,-72) 3(-10,-72) 4(10,-72) 5(30,-72) 6(49,-72) 13(49,72) 14(30,72) 15(10,72) 16(-10,72) 17(-30,72) 18(-49,72)
  rect 20x12 smd paste+0 mask+2: 7(72,-49) 8(72,-30) 9(72,-10) 10(72,10) 11(72,30) 12(72,49) 19(-72,49) 20(-72,30) 21(-72,10) 22(-72,-10) 23(-72,-30) 24(-72,-49)
  rect 60x60 smd paste-5 mask+2: 25(0,0)
  silkscreen extent -87,-96 85,85, body extent -78,-78 78,78, height 60
SM/MODULE/DIGILENT/JTAG-SMT3 [mil] "JTAG-SMT3 Programming module for Xilinx FPGAs"
  rect 91x112 smd mask+3: 1(0,0) 2(157,0) 3(315,0) 4(473,0) 5(630,0) 10(630,784) 11(473,784) 12(315,784) 13(157,784) 14(0,784)
  rect 112x91 smd mask+3: 6(732,156) 7(732,313) 8(732,471) 9(732,628) 15(-102,628) 16(-102,471) 17(-102,313) 18(-102,156)
  silkscreen extent -146,-80 776,827, body extent -132,-31 764,815, height 102
SM/MSOP8_A [mil]
  rect 16x46 smd mask+3: 1(-38,-90) 2(-13,-90) 3(13,-90) 4(38,-90) 5(38,90) 6(13,90) 7(-13,90) 8(-38,90)
  silkscreen extent -65,-123 65,123, body extent -59,-99 59,98, height 39
SM/POWERPAK/VISHAY/SO-8 [mm] "Vishay PowerPAK"
  rect 0.635x1.27 smd: 1(-1.905,-1.335) 2(-0.635,-1.335) 3(0.635,-1.335) 4(1.905,-1.335)
  rect 1x1 smd paste-1 mask+0: 5(0,1.335)
  Top Layer region: -1.6,4.64 -1.6,3.93 -0.94,3.93 -0.94,4.64 -0.33,4.64 -0.33,3.93 0.33,3.93 0.33,4.64 0.94,4.64 0.94,3.93 1.6,3.93 1.6,4.64 2.21,4.64 2.21,3.62 1.955,3.62 1.955,0.12 -1.955,0.12 -1.955,3.62 -2.21,3.62 -2.21,4.64
  silkscreen extent -2.6,-2.44 2.58,3.09, body extent -2.46,-1.61 2.46,4.28, height 1.02
SM/QFN16/3X3/0.5LS_A [mil]
  rect 12x32 smd paste+0 mask+3: 1(-30,-58) 2(-10,-58) 3(10,-58) 4(30,-58) 9(30,58) 10(10,58) 11(-10,58) 12(-30,58)
  rect 32x12 smd paste+0 mask+3: 5(58,-30) 6(58,-10) 7(58,10) 8(58,30) 13(-58,30) 14(-58,10) 15(-58,-10) 16(-58,-30)
  rect 64x64 smd paste-3 mask+3: 17(0,0)
  silkscreen extent -67,-91 65,65, body extent -59,-59 59,59, height 35
SM/SOT3_A [mil]
  rect 13x14 smd: 1(0,0) 2(28,0) 3(14,46)
  silkscreen extent -16,-1 -16,0, body extent -6,3 33,43, height 20
SM/SOT23-6_C [mil] "SOT23-6"
  rect 24x48 smd: 1(38,50) 2(0,50) 3(-38,50) 4(-38,-50) 5(0,-50) 6(38,-50)
  silkscreen extent -58,-12 63,73, body extent -58,-55 58,55, height 51
SM/SOT23_A [mil]
  rect 36x50 smd mask+3: 1(-38,-43) 2(38,-43) 3(0,43)
  silkscreen extent -70,-15 70,65, body extent -58,-54 56,56, height 51
SM/SOT223-3_B [mil] "SOT-223/SC-73; 4 Leads; Body 6.7 x 7.3 mm, inc. leads (LxW max)"
  rect 43x84 smd mask+3: 1(-90,-120) 2(0,-120) 3(90,-120)
  rect 138x84 smd mask+3: 2(0,120)
  silkscreen extent -135,-65 136,65, body extent -128,-138 128,138, height 67